# KiCad board Combined.kicad_pcb (continued)
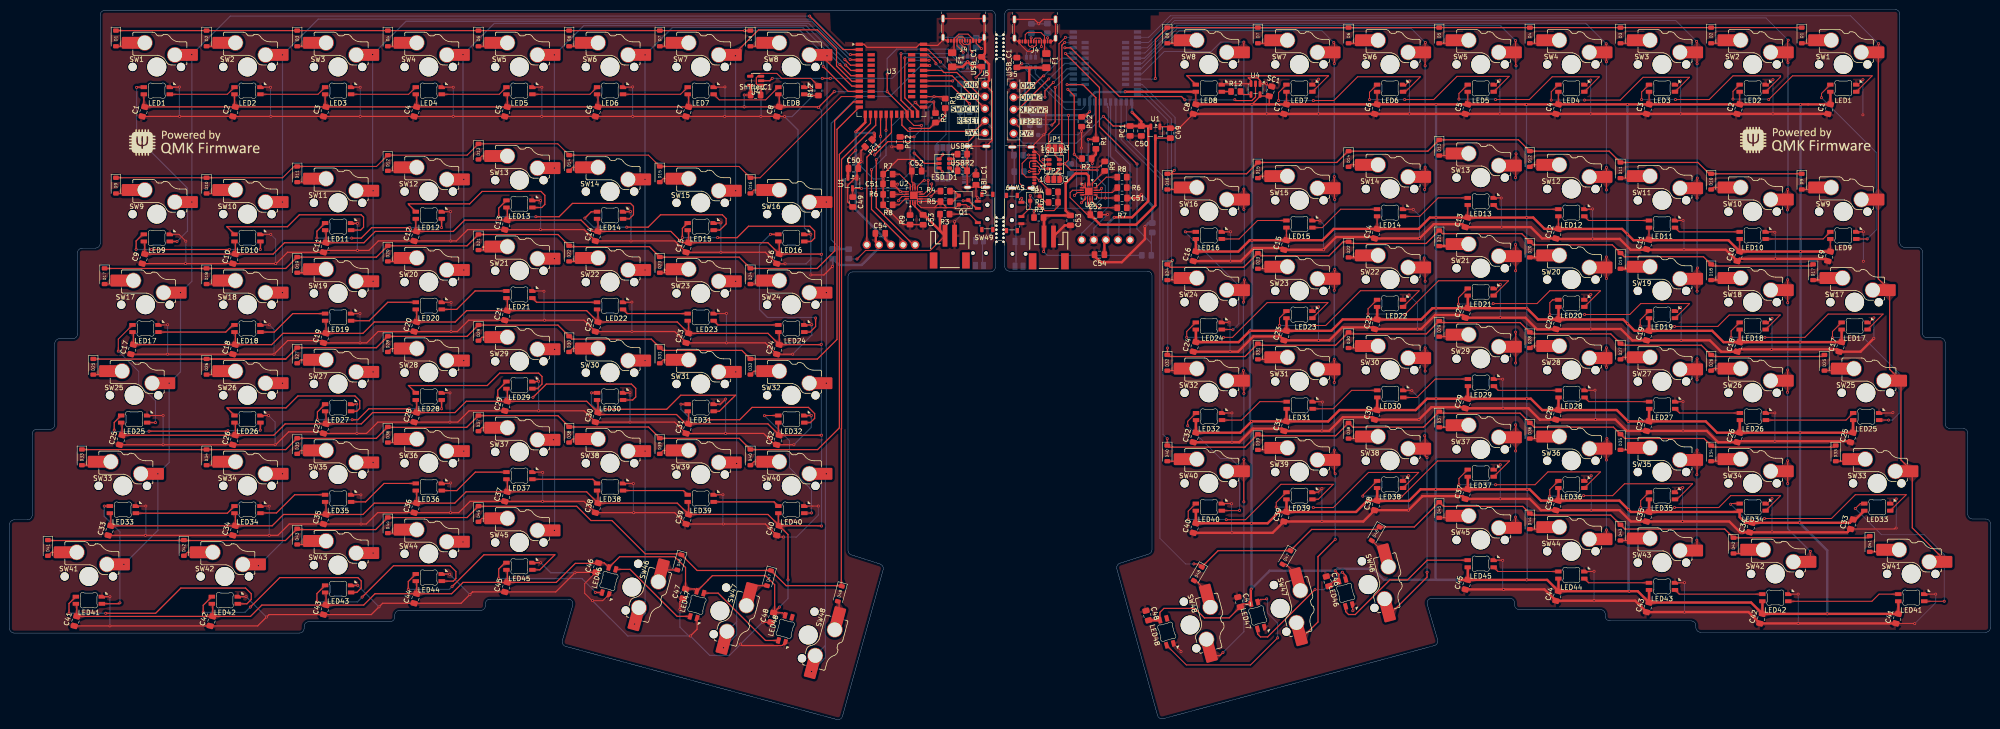
[diagram p0: board, top side]
## Placement (name value [footprint] x y rotation side) (continued)
LED40#2  MX_SK6812MINI-E  [LED_MX_6028R-ROT]  252.04 44.66 0 top
LED41  MX_SK6812MINI-E  [LED_MX_6028R-ROT]  399.67 25.61 0 top
LED41#2  MX_SK6812MINI-E  [LED_MX_6028R-ROT]  16.67 25.08 0 top
LED42  MX_SK6812MINI-E  [LED_MX_6028R-ROT]  45.24 25.08 0 top
LED42#2  MX_SK6812MINI-E  [LED_MX_6028R-ROT]  371.1 25.61 0 top
LED43  MX_SK6812MINI-E  [LED_MX_6028R-ROT]  69.06 27.47 0 top
LED43#2  MX_SK6812MINI-E  [LED_MX_6028R-ROT]  347.29 28 0 top
LED44  MX_SK6812MINI-E  [LED_MX_6028R-ROT]  88.11 29.85 0 top
LED44#2  MX_SK6812MINI-E  [LED_MX_6028R-ROT]  328.24 30.38 0 top
LED45  MX_SK6812MINI-E  [LED_MX_6028R-ROT]  107.16 32.23 0 top
LED45#2  MX_SK6812MINI-E  [LED_MX_6028R-ROT]  309.19 32.76 0 top
LED46  MX_SK6812MINI-E  [LED_MX_6028R-ROT#2]  280.81 26.62 285 top
LED46#2  MX_SK6812MINI-E  [LED_MX_6028R-ROT#2]  125.98 29.14 255 top
LED47  MX_SK6812MINI-E  [LED_MX_6028R-ROT]  262.31 21.87 285 top
LED47#2  MX_SK6812MINI-E  [LED_MX_6028R-ROT]  144.48 24.14 255 top
LED48  MX_SK6812MINI-E  [LED_MX_6028R-ROT#2]  243.19 18.44 285 top
LED48#2  MX_SK6812MINI-E  [LED_MX_6028R-ROT#2]  163.03 19.06 255 top
OLED1  nice!view  [nice_view]  185.26 116.34 180 bottom
OLED1#2  nice!view  [nice_view]  230.41 117.37 180 bottom
PC1  0.1u  [C_0805_2012Metric_Pad1.18x1.45mm_HandSolder]  180.56 121.19 225 top
PC1#2  0.1u  [C_0805_2012Metric_Pad1.18x1.45mm_HandSolder]  235.51 123.78 270 top
PC2  0.1u  [C_0805_2012Metric_Pad1.18x1.45mm_HandSolder]  187.16 121.49 270 top
PC2#2  0.1u  [C_0805_2012Metric_Pad1.18x1.45mm_HandSolder]  225.31 125.72 270 top
Q1  2N7002  [SOT-23]  215.51 109.07 180 top
Q1#2  2N7002  [SOT-23#2]  200.51 109.24 0 top
R1  10k  [R_0805_2012Metric_Pad1.20x1.40mm_HandSolder]  228.31 121.02 270 top
R1#2  10k  [R_0805_2012Metric_Pad1.20x1.40mm_HandSolder]  196.66 129.59 270 top
R2  10k  [R_0805_2012Metric_Pad1.20x1.40mm_HandSolder]  194.61 126.54 270 top
R2#2  10k  [R_0805_2012Metric_Pad1.20x1.40mm_HandSolder]  226.41 117.97 0 top
R3  100k  [R_0805_2012Metric_Pad1.20x1.40mm_HandSolder]  196.56 106.29 180 top
R3#2  100k  [R_0805_2012Metric_Pad1.20x1.40mm_HandSolder]  216.31 105.57 0 top
R4  100R  [R_0805_2012Metric_Pad1.20x1.40mm_HandSolder]  219.36 110.97 180 top
R4#2  100R  [R_0805_2012Metric_Pad1.20x1.40mm_HandSolder]  196.66 111.14 180 top
R5  10k  [R_0805_2012Metric_Pad1.20x1.40mm_HandSolder]  219.36 108.77 0 top
R5#2  10k  [R_0805_2012Metric_Pad1.20x1.40mm_HandSolder]  196.66 108.94 0 top
R6  47k  [R_0805_2012Metric_Pad1.20x1.40mm_HandSolder]  233.81 111.87 180 top
R6#2  47k  [R_0805_2012Metric_Pad1.20x1.40mm_HandSolder]  184.61 110.44 0 top
R7  1.5k  [R_0805_2012Metric_Pad1.20x1.40mm_HandSolder]  184.61 114.69 0 top
R7#2  1.5k  [R_0805_2012Metric_Pad1.20x1.40mm_HandSolder]  233.81 107.62 180 top
R8  3.9k  [R_0805_2012Metric_Pad1.20x1.40mm_HandSolder]  184.61 108.24 0 top
R8#2  3.9k  [R_0805_2012Metric_Pad1.20x1.40mm_HandSolder]  233.81 114.07 180 top
R9  10k  [R_0805_2012Metric_Pad1.20x1.40mm_HandSolder]  189.26 105.09 90 top
R9#2  10k  [R_0805_2012Metric_Pad1.20x1.40mm_HandSolder]  230.16 116.37 270 top
R10  806/820k  [R_0805_2012Metric_Pad1.20x1.40mm_HandSolder]  176.36 97.94 90 bottom
R10#2  806/820k  [R_0805_2012Metric_Pad1.20x1.40mm_HandSolder]  238.96 97.62 0 bottom
R11  2M  [R_0805_2012Metric_Pad1.20x1.40mm_HandSolder]  240.16 103.42 90 bottom
R11#2  2M  [R_0805_2012Metric_Pad1.20x1.40mm_HandSolder]  173.01 97.94 270 bottom
R12  470  [R_0805_2012Metric_Pad1.20x1.40mm_HandSolder]  170.01 132.24 90 top
R12#2  470  [R_0805_2012Metric_Pad1.20x1.40mm_HandSolder]  257.71 132.07 0 top
R13  5.1k  [R_0805_2012Metric_Pad1.20x1.40mm_HandSolder]  218.11 145.37 90 bottom
R13#2  5.1k  [R_0805_2012Metric_Pad1.20x1.40mm_HandSolder]  203.16 142.37 90 bottom
R14  5.1k  [R_0805_2012Metric_Pad1.20x1.40mm_HandSolder]  199.68 142.37 90 bottom
R14#2  5.1k  [R_0805_2012Metric_Pad1.20x1.40mm_HandSolder]  214.76 145.32 90 bottom
R15  1k  [R_0805_2012Metric_Pad1.20x1.40mm_HandSolder]  200.76 133.69 180 bottom
R15#2  1k  [R_0805_2012Metric_Pad1.20x1.40mm_HandSolder]  215.46 130.97 180 bottom
R17  1k  [R_0805_2012Metric_Pad1.20x1.40mm_HandSolder]  200.76 127.84 180 bottom
R17#2  1k  [R_0805_2012Metric_Pad1.20x1.40mm_HandSolder]  215.46 125.12 180 bottom
REF**  -  [MouseBite-Slot_2.0x4.5mm_outset_D0.5mm_P0.85mm_7h]  209.16 141.48 90 top  (not fitted)
REF**#2  -  [MouseBite-Slot_2.0x4.5mm_outset_D0.5mm_P0.85mm_7h]  209.15 103.02 90 top  (not fitted)
Reset_Btn1  SW_Push  [Panasonic_EVQPUL_EVQPUC]  203.86 98.09 90 bottom
Reset_Btn1#2  SW_Push  [Panasonic_EVQPUL_EVQPUC#2]  212.16 97.92 270 bottom
SC1  0.1uF  [C_0805_2012Metric_Pad1.18x1.45mm_HandSolder]  265.01 132.12 75 top
ShifterC1  0.1uF  [C_0805_2012Metric_Pad1.18x1.45mm_HandSolder]  156.81 131.34 0 top
SW1  SW_Push  [SW_MX_HS_KS-2P02B01-01_1u]  385.39 137.77 0 top
SW1#2  SW_Push  [SW_MX_HS_KS-2P02B01-01_1u]  30.96 137.24 0 top
SW2  SW_Push  [SW_MX_HS_KS-2P02B01-01_1u]  366.34 137.77 0 top
SW2#2  SW_Push  [SW_MX_HS_KS-2P02B01-01_1u]  50.01 137.24 0 top
SW3  SW_Push  [SW_MX_HS_KS-2P02B01-01_1u]  347.29 137.77 0 top
SW3#2  SW_Push  [SW_MX_HS_KS-2P02B01-01_1u]  69.06 137.24 0 top
SW4  SW_Push  [SW_MX_HS_KS-2P02B01-01_1u]  328.24 137.77 0 top
SW4#2  SW_Push  [SW_MX_HS_KS-2P02B01-01_1u]  88.11 137.24 0 top
SW5  SW_Push  [SW_MX_HS_KS-2P02B01-01_1u]  107.16 137.24 0 top
SW5#2  SW_Push  [SW_MX_HS_KS-2P02B01-01_1u]  309.19 137.77 0 top
SW6  SW_Push  [SW_MX_HS_KS-2P02B01-01_1u]  290.14 137.77 0 top
SW6#2  SW_Push  [SW_MX_HS_KS-2P02B01-01_1u]  126.21 137.24 0 top
SW7  SW_Push  [SW_MX_HS_KS-2P02B01-01_1u]  145.26 137.24 0 top
SW7#2  SW_Push  [SW_MX_HS_KS-2P02B01-01_1u]  271.09 137.77 0 top
SW8  SW_Push  [SW_MX_HS_KS-2P02B01-01_1u]  252.04 137.77 0 top
SW8#2  SW_Push  [SW_MX_HS_KS-2P02B01-01_1u]  164.31 137.24 0 top
SW9  SW_Push  [SW_MX_HS_KS-2P02B01-01_1u]  385.39 106.81 0 top
SW9#2  SW_Push  [SW_MX_HS_KS-2P02B01-01_1u]  30.96 106.28 0 top
SW10  SW_Push  [SW_MX_HS_KS-2P02B01-01_1u]  366.34 106.81 0 top
SW10#2  SW_Push  [SW_MX_HS_KS-2P02B01-01_1u]  50.01 106.28 0 top
SW11  SW_Push  [SW_MX_HS_KS-2P02B01-01_1u]  69.06 108.67 0 top
SW11#2  SW_Push  [SW_MX_HS_KS-2P02B01-01_1u]  347.29 109.2 0 top
SW12  SW_Push  [SW_MX_HS_KS-2P02B01-01_1u]  88.11 111.05 0 top
SW12#2  SW_Push  [SW_MX_HS_KS-2P02B01-01_1u]  328.24 111.58 0 top
SW13  SW_Push  [SW_MX_HS_KS-2P02B01-01_1u]  309.19 113.96 0 top
SW13#2  SW_Push  [SW_MX_HS_KS-2P02B01-01_1u]  107.16 113.43 0 top
SW14  SW_Push  [SW_MX_HS_KS-2P02B01-01_1u]  290.14 111.58 0 top
SW14#2  SW_Push  [SW_MX_HS_KS-2P02B01-01_1u]  126.21 111.05 0 top
SW15  SW_Push  [SW_MX_HS_KS-2P02B01-01_1u]  145.26 108.67 0 top
SW15#2  SW_Push  [SW_MX_HS_KS-2P02B01-01_1u]  271.09 109.2 0 top
SW16  SW_Push  [SW_MX_HS_KS-2P02B01-01_1u]  252.04 106.81 0 top
SW16#2  SW_Push  [SW_MX_HS_KS-2P02B01-01_1u]  164.31 106.28 0 top
SW17  SW_Push  [SW_MX_HS_KS-2P02B01-01_1.25u]  28.58 87.23 0 top
SW17#2  SW_Push  [SW_MX_HS_KS-2P02B01-01_1.25u]  387.77 87.76 0 top
SW18  SW_Push  [SW_MX_HS_KS-2P02B01-01_1u]  50.01 87.23 0 top
SW18#2  SW_Push  [SW_MX_HS_KS-2P02B01-01_1u]  366.34 87.76 0 top
SW19  SW_Push  [SW_MX_HS_KS-2P02B01-01_1u]  69.06 89.62 0 top
SW19#2  SW_Push  [SW_MX_HS_KS-2P02B01-01_1u]  347.29 90.15 0 top
SW20  SW_Push  [SW_MX_HS_KS-2P02B01-01_1u]  88.11 92 0 top
SW20#2  SW_Push  [SW_MX_HS_KS-2P02B01-01_1u]  328.24 92.53 0 top
SW21  SW_Push  [SW_MX_HS_KS-2P02B01-01_1u]  309.19 94.91 0 top
SW21#2  SW_Push  [SW_MX_HS_KS-2P02B01-01_1u]  107.16 94.38 0 top
SW22  SW_Push  [SW_MX_HS_KS-2P02B01-01_1u]  126.21 92 0 top
SW22#2  SW_Push  [SW_MX_HS_KS-2P02B01-01_1u]  290.14 92.53 0 top
SW23  SW_Push  [SW_MX_HS_KS-2P02B01-01_1u]  271.09 90.15 0 top
SW23#2  SW_Push  [SW_MX_HS_KS-2P02B01-01_1u]  145.26 89.62 0 top
SW24  SW_Push  [SW_MX_HS_KS-2P02B01-01_1u]  252.04 87.76 0 top
SW24#2  SW_Push  [SW_MX_HS_KS-2P02B01-01_1u]  164.31 87.23 0 top
SW25  SW_Push  [SW_MX_HS_KS-2P02B01-01_1.5u]  26.19 68.18 0 top
SW25#2  SW_Push  [SW_MX_HS_KS-2P02B01-01_1.5u]  390.15 68.71 0 top
SW26  SW_Push  [SW_MX_HS_KS-2P02B01-01_1u]  366.34 68.71 0 top
SW26#2  SW_Push  [SW_MX_HS_KS-2P02B01-01_1u]  50.01 68.18 0 top
SW27  SW_Push  [SW_MX_HS_KS-2P02B01-01_1u]  347.29 71.1 0 top
SW27#2  SW_Push  [SW_MX_HS_KS-2P02B01-01_1u]  69.06 70.57 0 top
SW28  SW_Push  [SW_MX_HS_KS-2P02B01-01_1u]  88.11 72.95 0 top
SW28#2  SW_Push  [SW_MX_HS_KS-2P02B01-01_1u]  328.24 73.48 0 top
SW29  SW_Push  [SW_MX_HS_KS-2P02B01-01_1u]  309.19 75.86 0 top
SW29#2  SW_Push  [SW_MX_HS_KS-2P02B01-01_1u]  107.16 75.33 0 top
SW30  SW_Push  [SW_MX_HS_KS-2P02B01-01_1u]  290.14 73.48 0 top
SW30#2  SW_Push  [SW_MX_HS_KS-2P02B01-01_1u]  126.21 72.95 0 top
SW31  SW_Push  [SW_MX_HS_KS-2P02B01-01_1u]  271.09 71.1 0 top
SW31#2  SW_Push  [SW_MX_HS_KS-2P02B01-01_1u]  145.26 70.57 0 top
SW32  SW_Push  [SW_MX_HS_KS-2P02B01-01_1u]  164.31 68.18 0 top
SW32#2  SW_Push  [SW_MX_HS_KS-2P02B01-01_1u]  252.04 68.71 0 top
SW33  SW_Push  [SW_MX_HS_KS-2P02B01-01_1.75u]  392.53 49.66 0 top
SW33#2  SW_Push  [SW_MX_HS_KS-2P02B01-01_1.75u]  23.81 49.13 0 top
SW34  SW_Push  [SW_MX_HS_KS-2P02B01-01_1u]  50.01 49.13 0 top
SW34#2  SW_Push  [SW_MX_HS_KS-2P02B01-01_1u]  366.34 49.66 0 top
SW35  SW_Push  [SW_MX_HS_KS-2P02B01-01_1u]  69.06 51.52 0 top
SW35#2  SW_Push  [SW_MX_HS_KS-2P02B01-01_1u]  347.29 52.05 0 top
SW36  SW_Push  [SW_MX_HS_KS-2P02B01-01_1u]  328.24 54.43 0 top
SW36#2  SW_Push  [SW_MX_HS_KS-2P02B01-01_1u]  88.11 53.9 0 top
SW37  SW_Push  [SW_MX_HS_KS-2P02B01-01_1u]  309.19 56.81 0 top
SW37#2  SW_Push  [SW_MX_HS_KS-2P02B01-01_1u]  107.16 56.28 0 top
SW38  SW_Push  [SW_MX_HS_KS-2P02B01-01_1u]  126.21 53.9 0 top
SW38#2  SW_Push  [SW_MX_HS_KS-2P02B01-01_1u]  290.14 54.43 0 top
SW39  SW_Push  [SW_MX_HS_KS-2P02B01-01_1u]  271.09 52.05 0 top
SW39#2  SW_Push  [SW_MX_HS_KS-2P02B01-01_1u]  145.26 51.52 0 top
SW40  SW_Push  [SW_MX_HS_KS-2P02B01-01_1u]  252.04 49.66 0 top
SW40#2  SW_Push  [SW_MX_HS_KS-2P02B01-01_1u]  164.31 49.13 0 top
SW41  SW_Push  [SW_MX_HS_KS-2P02B01-01_1.5u]  16.67 30.08 0 top
SW41#2  SW_Push  [SW_MX_HS_KS-2P02B01-01_1.5u]  399.67 30.61 0 top
SW42  SW_Push  [SW_MX_HS_KS-2P02B01-01_1.5u]  371.1 30.61 0 top
SW42#2  SW_Push  [SW_MX_HS_KS-2P02B01-01_1.5u]  45.24 30.08 0 top
SW43  SW_Push  [SW_MX_HS_KS-2P02B01-01_1u]  347.29 33 0 top
SW43#2  SW_Push  [SW_MX_HS_KS-2P02B01-01_1u]  69.06 32.47 0 top
SW44  SW_Push  [SW_MX_HS_KS-2P02B01-01_1u]  328.24 35.38 0 top
SW44#2  SW_Push  [SW_MX_HS_KS-2P02B01-01_1u]  88.11 34.85 0 top
SW45  SW_Push  [SW_MX_HS_KS-2P02B01-01_1u]  309.19 37.76 0 top
SW45#2  SW_Push  [SW_MX_HS_KS-2P02B01-01_1u]  107.16 37.23 0 top
SW46  SW_Push  [SW_MX_HS_KS-2P02B01-01_1.25u]  285.54 28.37 285 top
SW46#2  SW_Push  [SW_MX_HS_KS-2P02B01-01_1.25u]  130.81 27.84 255 top
SW47  SW_Push  [SW_MX_HS_KS-2P02B01-01_1.5u]  149.31 22.84 255 top
SW47#2  SW_Push  [SW_MX_HS_KS-2P02B01-01_1.5u]  267.04 23.37 285 top
SW48  SW_Push  [SW_MX_HS_KS-2P02B01-01_1.75u]  167.86 17.77 255 top
SW48#2  SW_Push  [SW_MX_HS_KS-2P02B01-01_1.75u]  248.11 19.87 285 top
SW49  SW_PWR  [SW_MSK12C02-HB]  205.51 106.74 270 top
SW49#2  SW_PWR  [SW_MSK12C02-HB#2]  210.66 106.52 90 top
U1  XC6206PxxxMR  [SOT-23-3]  240.81 123.53 270 top
U1#2  XC6206PxxxMR  [SOT-23-3]  177.16 112.84 270 top
U2  BQ24075RGT  [VQFN-16-1EP_3x3mm_P0.5mm_EP1.6x1.6mm]  190.06 110.24 90 top
U2#2  BQ24075RGT  [VQFN-16-1EP_3x3mm_P0.5mm_EP1.6x1.6mm]  226.81 111.07 270 top
U3  -  [nRF52840_holyiot_18010]  185.34 136.3 0 top
U3#2  nRF52840_holyiot_18010  [nRF52840_holyiot_18010#2]  230.31 138.87 180 bottom
U4  SN74LV1T125DBV  [SOT-23-5]  261.86 132.57 270 top
U4#2  SN74LV1T125DBV  [SOT-23-5]  156.81 134.34 180 top
USB_C1  0.1uF  [C_0805_2012Metric_Pad1.18x1.45mm_HandSolder]  204.31 138.34 90 top
USB_C1#2  0.1uF  [C_0805_2012Metric_Pad1.18x1.45mm_HandSolder]  211.71 138.17 90 top
USBI_C1  0.1uF  [C_0805_2012Metric_Pad1.18x1.45mm_HandSolder]  203.11 113.5 270 top
USBI_C1#2  0.1uF  [C_0805_2012Metric_Pad1.18x1.45mm_HandSolder]  222.96 115.82 270 bottom
USBR1  5.1k  [R_0805_2012Metric_Pad1.20x1.40mm_HandSolder]  200.26 118.9 0 top
USBR1#2  5.1k  [R_0805_2012Metric_Pad1.20x1.40mm_HandSolder]  212.06 118.67 180 bottom
USBR2  5.1k  [R_0805_2012Metric_Pad1.20x1.40mm_HandSolder]  200.26 115.4 0 top
USBR2#2  5.1k  [R_0805_2012Metric_Pad1.20x1.40mm_HandSolder]  212.16 115.24 180 bottom

## Library data of the parts
B_LED1 B_LED1#2 = -: Description: Blue SMD LED, 0603, Alternate KiCad Library
C1 C1#2 C2 C2#2 C3 C3#2 C4 C4#2 C5 C5#2 C6 C6#2 C7 C7#2 C8 C8#2 C9 C9#2 C10 C10#2 C11 C11#2 C12 C12#2 C13 C13#2 C14 C14#2 C15 C15#2 C16 C16#2 C17 C17#2 C18 C18#2 C19 C19#2 C20 C20#2 C21 C21#2 C22 C22#2 C23 C23#2 C24 C24#2 C25 C25#2 C26 C26#2 C27 C27#2 C28 C28#2 C29 C29#2 C30 C30#2 C31 C31#2 C32 C32#2 C33 C33#2 C34 C34#2 C35 C35#2 C36 C36#2 C37 C37#2 C38 C38#2 C39 C39#2 C40 C40#2 C41 C41#2 C42 C42#2 C43 C43#2 C44 C44#2 C45 C45#2 C46 C46#2 C47 C47#2 C48 C48#2 C51 C51#2 C52 C52#2 C53 C53#2 C54 C54#2 SC1 ShifterC1 USBI_C1 USBI_C1#2 = -: Description: Unpolarized capacitor
C49 C49#2 C50 C50#2 PC1 PC1#2 PC2 PC2#2 = -: Notes: X7R, 10%
D1 D1#2 D2 D2#2 D3 D3#2 D4 D4#2 D5 D5#2 D6 D6#2 D7 D7#2 D8 D8#2 D9 D9#2 D10 D10#2 D11 D11#2 D12 D12#2 D13 D13#2 D14 D14#2 D15 D15#2 D16 D16#2 D17 D17#2 D18 D18#2 D19 D19#2 D20 D20#2 D21 D21#2 D22 D22#2 D23 D23#2 D24 D24#2 D25 D25#2 D26 D26#2 D27 D27#2 D28 D28#2 D29 D29#2 D30 D30#2 D31 D31#2 D32 D32#2 D33 D33#2 D34 D34#2 D35 D35#2 D36 D36#2 D37 D37#2 D38 D38#2 D39 D39#2 D40 D40#2 D41 D41#2 D42 D42#2 D43 D43#2 D44 D44#2 D45 D45#2 D46 D46#2 D47 D47#2 D48 D48#2 = -: Description: Diode; Sim.Pins: 1=K 2=A
ESD_D1 ESD_D1#2 ESD_D2 ESD_D2#2 = -: Datasheet: https://www.tme.eu/Document/db59d28d28a96c34f26d05f234ff409c/USBLC6-2.pdf; Description: SOT-23-6 TVS Diode Array, 2 protected lines, positive connection, 5.25V, Alternate KiCAD Library
F1 F1#2 = -: LCSC: C135341
G_LED1 G_LED1#2 = -: Description: Green SMD LED, 0603, Alternate KiCad Library
J1 J1#2 J4 J4#2 = -: Datasheet: https://www.usb.org/sites/default/files/documents/usb_type-c.zip; Description: USB 2.0-only 16P Type-C Receptacle connector
J3 J3#2 = -: Description: 2 Pin 2mm JST Battery Connector; PROD_ID: CONN-11443
J5 J5#2 = -: Description: Male connector, single row
JP1 JP1#2 JP2 JP2#2 = -: Description: Solder Jumper, 3-pole, open
LED1 LED1#2 LED2 LED2#2 LED3 LED3#2 LED4 LED4#2 LED5 LED5#2 LED6 LED6#2 LED7 LED7#2 LED8 LED8#2 LED9 LED9#2 LED10 LED10#2 LED11 LED11#2 LED12 LED12#2 LED13 LED13#2 LED14 LED14#2 LED15 LED15#2 LED16 LED16#2 LED17 LED17#2 LED18 LED18#2 LED19 LED19#2 LED20 LED20#2 LED21 LED21#2 LED22 LED22#2 LED23 LED23#2 LED24 LED24#2 LED25 LED25#2 LED26 LED26#2 LED27 LED27#2 LED28 LED28#2 LED29 LED29#2 LED30 LED30#2 LED31 LED31#2 LED32 LED32#2 LED33 LED33#2 LED34 LED34#2 LED35 LED35#2 LED36 LED36#2 LED37 LED37#2 LED38 LED38#2 LED39 LED39#2 LED40 LED40#2 LED41 LED41#2 LED42 LED42#2 LED43 LED43#2 LED44 LED44#2 LED45 LED45#2 LED46 LED46#2 LED47 LED47#2 LED48 LED48#2 = -: Description: Reverse mount adressable LED (WS2812 protocol)
OLED1 OLED1#2 = -: Datasheet: https://nicekeyboards.com/docs/nice-view/pinout-schematic; Description: Sharp LS011B7DH03 Memory in Pixel 160x68
Q1 Q1#2 = -: Datasheet: https://www.tme.eu/Document/7df5cae36abdfcedddb681f5be886f05/2N7000.pdf; Description: SOT-23 N-MOSFET enchancement mode transistor, 60V, 115mA, 200mW, Alternate KiCAD Library
R1 R1#2 R2 R2#2 R3 R3#2 R4 R4#2 R5 R5#2 R6 R6#2 R7 R7#2 R8 R8#2 R9 R9#2 R10 R10#2 R11 R11#2 R12 R12#2 R13 R13#2 R14 R14#2 R15 R15#2 R17 R17#2 USBR1 USBR1#2 USBR2 USBR2#2 = -: Description: Resistor
Reset_Btn1 Reset_Btn1#2 = -: Aliexpress: https://www.aliexpress.com/item/1005005453787620.html?spm=a2g0o.productlist.main.1.11d71ae5j97qJo&algo_pvid=568eff6e-180e-4b37-958c-7c0a3b0f84d9&algo_exp_id=568eff6e-180e-4b37-958c-7c0a3b0f84d9-0&pdp_npi=4%40dis%21BRL%2110.94%219.89%21%21%2113.03%2111.78%21%402103273e17319427737965163e3c62%2112000038111003831%21sea%21BR%214340077984%21X&curPageLogUid=5a6rqzQqwGi2&utparam-url=scene%3Asearch%7Cquery_from%3A; LCSC: C79175
SW1 SW1#2 SW2 SW2#2 SW3 SW3#2 SW4 SW4#2 SW5 SW5#2 SW6 SW6#2 SW7 SW7#2 SW8 SW8#2 SW9 SW9#2 SW10 SW10#2 SW11 SW11#2 SW12 SW12#2 SW13 SW13#2 SW14 SW14#2 SW15 SW15#2 SW16 SW16#2 SW17 SW17#2 SW18 SW18#2 SW19 SW19#2 SW20 SW20#2 SW21 SW21#2 SW22 SW22#2 SW23 SW23#2 SW24 SW24#2 SW25 SW25#2 SW26 SW26#2 SW27 SW27#2 SW28 SW28#2 SW29 SW29#2 SW30 SW30#2 SW31 SW31#2 SW32 SW32#2 SW33 SW33#2 SW34 SW34#2 SW35 SW35#2 SW36 SW36#2 SW37 SW37#2 SW38 SW38#2 SW39 SW39#2 SW40 SW40#2 SW41 SW41#2 SW42 SW42#2 SW43 SW43#2 SW44 SW44#2 SW45 SW45#2 SW47 SW47#2 = -: Description: Push button switch, normally open, two pins, 45° tilted
SW49 SW49#2 = -: Description: Switch, single pole double throw
U1 U1#2 = -: Datasheet: https://www.torexsemi.com/file/xc6206/XC6206.pdf; Description: Positive 60-250mA Low Dropout Regulator, Fixed Output, SOT-23
U2 U2#2 = -: Datasheet: http://www.ti.com/lit/ds/symlink/bq24075.pdf; Description: USB-Friendly Li-Ion Battery Charger and Power-Path Management, VQFN-16
U3 U3#2 = -: Datasheet: http://www.holyiot.com/tp/2019042516322180424.pdf; Description: nRF52840 BT LE module
U4 U4#2 = -: Datasheet: https://www.ti.com/lit/ds/symlink/sn74lv1t125.pdf; Description: Single Power Supply, Single Buffer Gate with 3-State Output, CMOS Logic Level Shifter Level Shifter, SOT-23-5
USB_C1 USB_C1#2 = -: LCSC: C307331

## Footprints (pads in the part's own frame, mm; a bottom-side part is the same pattern mirrored in y, then rotated)
C_0805_2012Metric_Pad1.18x1.45mm_HandSolder
  rrect 1.175x1.45 smd: 1(-1.038,0) 2(1.038,0)
D_SOD-123
  rrect 0.9x1.2 smd: 1(-1.65,0) 2(1.65,0)
Fuse_1206_3216Metric_Pad1.42x1.75mm_HandSolder
  rrect 1.425x1.75 smd: 1(-1.488,0) 2(1.488,0)
JST_1x02_P2.0mm_Horizontal_SMD
  rect 1x4.6 smd: 1(-1,-3.7) 2(1,-3.7)
  rect 1.6x3.4 smd: NC1(-3.4,1.5) NC2(3.4,1.5)
LED_0603_1608Metric
  rrect 0.875x0.95 smd: 1(-0.787,0) 2(0.787,0)
LED_MX_6028R-ROT
  rrect 1.35x0.82 smd: 1(-2.725,-0.75) 2(-2.725,0.75) 3(2.725,-0.75) 4(2.725,0.75)
LED_MX_6028R-ROT#2
  rrect 1.35x0.82 smd: 1(-2.725,-0.75) 2(-2.725,0.75) 3(2.725,-0.75) 4(2.725,0.75)
MouseBite-Slot_2.0x4.5mm_outset_D0.5mm_P0.85mm_7h
  round 0.5 hole 0.5 unplated: (-2.55,1.75) (-2.55,0.25) (-1.7,0.25) (-1.7,1.75) (-0.85,0.25) (-0.85,1.75) (0,1.75) (0,0.25) (0.85,1.75) (0.85,0.25) (1.7,1.75) (1.7,0.25) (2.55,1.75) (2.55,0.25)
nice_view
  round 1.753 hole 1.092: 1(-5.08,-16.51) 2(-2.54,-16.51) 3(0,-16.51) 4(2.54,-16.51) 5(5.08,-16.51)
nRF52840_holyiot_18010
  rect 1.524x0.7 smd: 1(-6.75,5.7) 2(-6.75,4.6) 3(-6.75,3.5) 4(-6.75,2.4) 5(-6.75,1.3) 6(-6.75,0.2) 7(-6.75,-0.9) 8(-6.75,-2) 9(-6.75,-3.1) 10(-6.75,-4.2) 11(-6.75,-5.3) 12(-6.75,-6.4) 13(-6.75,-7.5) 25(6.75,-7.5) 26(6.75,-6.4) 27(6.75,-5.3) 28(6.75,-4.2) 29(6.75,-3.1) 30(6.75,-2) 31(6.75,-0.9) 32(6.75,0.2) 33(6.75,1.3) 34(6.75,2.4) 35(6.75,3.5) 36(6.75,4.6) 37(6.75,5.7) 38(-4.25,3.5) 39(-4.25,2.4) 40(-4.25,1.3) 41(-4.25,0.2) 42(-4.25,-0.9) 43(-4.25,-2) 44(-4.25,-3.1) 45(-4.25,-4.2) 46(-4.25,-5.3) 47(4.25,3.5) 48(4.25,2.4) 49(4.25,1.3) 50(4.25,0.2) 51(4.25,-0.9) 52(4.25,-2) 53(4.25,-3.1) 54(4.25,-4.2) 55(4.25,-5.3)
  rect 0.7x1.524 smd: 14(-5.5,-9) 15(-4.4,-9) 16(-3.3,-9) 17(-2.2,-9) 18(-1.1,-9) 19(0,-9) 20(1.1,-9) 21(2.2,-9) 22(3.3,-9) 23(4.4,-9) 24(5.5,-9)
nRF52840_holyiot_18010#2
  rect 1.524x0.7 smd: 1(-6.75,5.7) 2(-6.75,4.6) 3(-6.75,3.5) 4(-6.75,2.4) 5(-6.75,1.3) 6(-6.75,0.2) 7(-6.75,-0.9) 8(-6.75,-2) 9(-6.75,-3.1) 10(-6.75,-4.2) 11(-6.75,-5.3) 12(-6.75,-6.4) 13(-6.75,-7.5) 25(6.75,-7.5) 26(6.75,-6.4) 27(6.75,-5.3) 28(6.75,-4.2) 29(6.75,-3.1) 30(6.75,-2) 31(6.75,-0.9) 32(6.75,0.2) 33(6.75,1.3) 34(6.75,2.4) 35(6.75,3.5) 36(6.75,4.6) 37(6.75,5.7) 38(-4.25,3.5) 39(-4.25,2.4) 40(-4.25,1.3) 41(-4.25,0.2) 42(-4.25,-0.9) 43(-4.25,-2) 44(-4.25,-3.1) 45(-4.25,-4.2) 46(-4.25,-5.3) 47(4.25,3.5) 48(4.25,2.4) 49(4.25,1.3) 50(4.25,0.2) 51(4.25,-0.9) 52(4.25,-2) 53(4.25,-3.1) 54(4.25,-4.2) 55(4.25,-5.3)
  rect 0.7x1.524 smd: 14(-5.5,-9) 15(-4.4,-9) 16(-3.3,-9) 17(-2.2,-9) 18(-1.1,-9) 19(0,-9) 20(1.1,-9) 21(2.2,-9) 22(3.3,-9) 23(4.4,-9) 24(5.5,-9)
Panasonic_EVQPUL_EVQPUC
  round 0.75 hole 0.75 unplated: (0,-1.375) (0,1.375)
  rect 1.55x1 smd: 1(-2.625,0.85) 1(2.625,0.85) 2(-2.625,-0.85) 2(2.625,-0.85)
Panasonic_EVQPUL_EVQPUC#2
  round 0.75 hole 0.75 unplated: (0,-1.375) (0,1.375)
  rect 1.55x1 smd: 1(-2.625,0.85) 1(2.625,0.85) 2(-2.625,-0.85) 2(2.625,-0.85)
PinHeader_01x05_P2.54mm_Vertical_THT_D1mm
  round 1.7 hole 1: 1(0,0)
  oval 1.7x1.7 hole 1: 2(0,-2.54) 3(0,-5.08) 4(0,-7.62) 5(0,-10.16)
R_0805_2012Metric_Pad1.20x1.40mm_HandSolder
  rrect 1.2x1.4 smd: 1(-1,0) 2(1,0)
SolderJumper-3_P1.3mm_Open_RoundedPad1.0x1.5mm_NumberLabels
  custom 1.05x1.5 smd: 1(-1.3,0) 3(1.3,0)
  rect 1x1.5 smd: 2(0,0)
SOT-23
  rrect 0.9x0.8 smd: 1(-1,0.95) 2(-1,-0.95) 3(1,0)
SOT-23#2
  rrect 0.9x0.8 smd: 1(-1,0.95) 2(-1,-0.95) 3(1,0)
SOT-23-3
  rrect 1.325x0.6 smd: 1(-1.137,0.95) 2(-1.137,-0.95) 3(1.137,0)
SOT-23-5
  rrect 1.325x0.6 smd: 1(-1.137,0.95) 2(-1.137,0) 3(-1.137,-0.95) 4(1.137,-0.95) 5(1.137,0.95)
SOT-23-6
  rrect 1.06x0.65 smd: 1(-1.1,0.95) 2(-1.1,0) 3(-1.1,-0.95) 4(1.1,-0.95) 5(1.1,0) 6(1.1,0.95)
SOT-23-6#2
  rrect 1.06x0.65 smd: 1(-1.1,0.95) 2(-1.1,0) 3(-1.1,-0.95) 4(1.1,-0.95) 5(1.1,0) 6(1.1,0.95)
SW_MSK12C02-HB
  round 0.85 hole 0.85 unplated: (-1.5,0) (1.5,0)
  rrect 0.6x1.25 smd: 1(2.25,-2) 2(-0.75,-2) 3(-2.25,-2)
  rrect 1.1x0.7 smd: MP(-3.7,-1.15) MP(-3.7,1.15) MP(3.7,-1.15) MP(3.7,1.15)
SW_MSK12C02-HB#2
  round 0.85 hole 0.85 unplated: (-1.5,0) (1.5,0)
  rrect 0.6x1.25 smd: 1(2.25,-2) 2(-0.75,-2) 3(-2.25,-2)
  rrect 1.1x0.7 smd: MP(-3.7,-1.15) MP(-3.7,1.15) MP(3.7,-1.15) MP(3.7,1.15)
SW_MX_HS_KS-2P02B01-01_1.5u
  round 1.75 hole 1.75 unplated: (-5.08,0) (5.08,0)
  round 3.988 hole 3.988 unplated: (0,0)
  round 3.3 hole 3: 1(3.81,2.54) 2(-2.54,5.08)
  rect 1.65x2.5 smd: 1(5.635,2.54) 2(-4.34,5.08)
  rrect 2.55x2.5 smd: 1(7.36,2.54) 2(-6.09,5.08)
SW_MX_HS_KS-2P02B01-01_1.25u
  round 1.75 hole 1.75 unplated: (-5.08,0) (5.08,0)
  round 3.988 hole 3.988 unplated: (0,0)
  round 3.3 hole 3: 1(3.81,2.54) 2(-2.54,5.08)
  rect 1.65x2.5 smd: 1(5.635,2.54) 2(-4.34,5.08)
  rrect 2.55x2.5 smd: 1(7.36,2.54) 2(-6.09,5.08)
SW_MX_HS_KS-2P02B01-01_1.75u
  round 1.75 hole 1.75 unplated: (-5.08,0) (5.08,0)
  round 3.988 hole 3.988 unplated: (0,0)
  round 3.3 hole 3: 1(3.81,2.54) 2(-2.54,5.08)
  rect 1.65x2.5 smd: 1(5.635,2.54) 2(-4.34,5.08)
  rrect 2.55x2.5 smd: 1(7.36,2.54) 2(-6.09,5.08)
SW_MX_HS_KS-2P02B01-01_1u
  round 1.75 hole 1.75 unplated: (-5.08,0) (5.08,0)
  round 3.988 hole 3.988 unplated: (0,0)
  round 3.3 hole 3: 1(3.81,2.54) 2(-2.54,5.08)
  rect 1.65x2.5 smd: 1(5.635,2.54) 2(-4.34,5.08)
  rrect 2.55x2.5 smd: 1(7.36,2.54) 2(-6.09,5.08)
USB_C_Receptacle_HRO_TYPE-C-31-M-23
  rrect 0.52x0.8 smd: A1(-3.28,2.425) A4(-2.01,2.425) A9(2.01,2.425) A12(3.28,2.425) B1(3.28,2.425) B4(2.01,2.425) B9(-2.01,2.425) B12(-3.28,2.425)
  rrect 0.35x0.8 smd: A5(-2.645,2.425) A6(-1.375,2.425) A7(1.375,2.425) A8(2.645,2.425) B5(0.825,2.425) B6(0.275,2.425) B7(-0.275,2.425) B8(-0.825,2.425)
  oval 0.8x1.8 hole 0.5x1.5: S1(-4.325,-2.215) S1(4.325,-2.215)
  oval 0.8x1.6 hole 0.5x1.3: S1(-4.325,1.725) S1(4.325,1.725)
VQFN-16-1EP_3x3mm_P0.5mm_EP1.6x1.6mm
  rrect 0.64x0.64 smd: (-0.4,0.4) (-0.4,-0.4) (0.4,0.4) (0.4,-0.4)
  rrect 0.875x0.25 smd: 1(-1.438,0.75) 2(-1.438,0.25) 3(-1.438,-0.25) 4(-1.438,-0.75) 9(1.438,-0.75) 10(1.438,-0.25) 11(1.438,0.25) 12(1.438,0.75)
  rrect 0.25x0.875 smd: 5(-0.75,-1.438) 6(-0.25,-1.438) 7(0.25,-1.438) 8(0.75,-1.438) 13(0.75,1.438) 14(0.25,1.438) 15(-0.25,1.438) 16(-0.75,1.438)
  rect 1.6x1.6 smd: 17(0,0)

## Nets
+3.3V: C50.1 C50#2.1 C54.1 C54#2.1 J5.5 J5#2.5 OLED1.3 OLED1#2.3 PC1.1 PC1#2.1 U1.2 U1#2.2 U3.14 U3#2.14
+5V: C1.2 C1#2.2 C2.2 C2#2.2 C3.2 C3#2.2 C4.2 C4#2.2 C5.2 C5#2.2 C6.2 C6#2.2 C7.2 C7#2.2 C8.2 C8#2.2 C9.2 C9#2.2 C10.2 C10#2.2 C11.2 C11#2.2 C12.2 C12#2.2 C13.2 C13#2.2 C14.2 C14#2.2 C15.2 C15#2.2 C16.2 C16#2.2 C17.2 C17#2.2 C18.2 C18#2.2 C19.2 C19#2.2 C20.2 C20#2.2 C21.2 C21#2.2 C22.2 C22#2.2 C23.2 C23#2.2 C24.2 C24#2.2 C25.2 C25#2.2 C26.2 C26#2.2 C27.2 C27#2.2 C28.2 C28#2.2 C29.2 C29#2.2 C30.2 C30#2.2 C31.2 C31#2.2 C32.2 C32#2.2 C33.2 C33#2.2 C34.2 C34#2.2 C35.2 C35#2.2 C36.2 C36#2.2 C37.2 C37#2.2 C38.2 C38#2.2 C39.2 C39#2.2 C40.2 C40#2.2 C41.2 C41#2.2 C42.2 C42#2.2 C43.2 C43#2.2 C44.2 C44#2.2 C45.2 C45#2.2 C46.2 C46#2.2 C47.2 C47#2.2 C48.2 C48#2.2 C51.1 C51#2.1 ESD_D1.5 ESD_D1#2.5 ESD_D2.5 ESD_D2#2.5 F1.2 F1#2.2 J1.A4 J1.A9 J1.B4 J1.B9 J1#2.A4 J1#2.A9 J1#2.B4 J1#2.B9 LED1.1 LED1#2.1 LED2.1 LED2#2.1 LED3.1 LED3#2.1 LED4.1 LED4#2.1 LED5.1 LED5#2.1 LED6.1 LED6#2.1 LED7.1 LED7#2.1 LED8.1 LED8#2.1 LED9.1 LED9#2.1 LED10.1 LED10#2.1 LED11.1 LED11#2.1 LED12.1 LED12#2.1 LED13.1 LED13#2.1 LED14.1 LED14#2.1 LED15.1 LED15#2.1 LED16.1 LED16#2.1 LED17.1 LED17#2.1 LED18.1 LED18#2.1 LED19.1 LED19#2.1 LED20.1 LED20#2.1 LED21.1 LED21#2.1 LED22.1 LED22#2.1 LED23.1 LED23#2.1 LED24.1 LED24#2.1 LED25.1 LED25#2.1 LED26.1 LED26#2.1 LED27.1 LED27#2.1 LED28.1 LED28#2.1 LED29.1 LED29#2.1 LED30.1 LED30#2.1 LED31.1 LED31#2.1 LED32.1 LED32#2.1 LED33.1 LED33#2.1 LED34.1 LED34#2.1 LED35.1 LED35#2.1 LED36.1 LED36#2.1 LED37.1 LED37#2.1 LED38.1 LED38#2.1 LED39.1 LED39#2.1 LED40.1 LED40#2.1 LED41.1 LED41#2.1 LED42.1 LED42#2.1 LED43.1 LED43#2.1 LED44.1 LED44#2.1 LED45.1 LED45#2.1 LED46.1 LED46#2.1 LED47.1 LED47#2.1 LED48.1 LED48#2.1 PC2.1 PC2#2.1 R4.2 R4#2.2 SC1.1 ShifterC1.1 U2.13 U2#2.13 U3.22 U3#2.22 U4.5 U4#2.5 USB_C1.1 USB_C1#2.1 USBI_C1.1 USBI_C1#2.1
GND: B_LED1.1 B_LED1#2.1 C1.1 C1#2.1 C2.1 C2#2.1 C3.1 C3#2.1 C4.1 C4#2.1 C5.1 C5#2.1 C6.1 C6#2.1 C7.1 C7#2.1 C8.1 C8#2.1 C9.1 C9#2.1 C10.1 C10#2.1 C11.1 C11#2.1 C12.1 C12#2.1 C13.1 C13#2.1 C14.1 C14#2.1 C15.1 C15#2.1 C16.1 C16#2.1 C17.1 C17#2.1 C18.1 C18#2.1 C19.1 C19#2.1 C20.1 C20#2.1 C21.1 C21#2.1 C22.1 C22#2.1 C23.1 C23#2.1 C24.1 C24#2.1 C25.1 C25#2.1 C26.1 C26#2.1 C27.1 C27#2.1 C28.1 C28#2.1 C29.1 C29#2.1 C30.1 C30#2.1 C31.1 C31#2.1 C32.1 C32#2.1 C33.1 C33#2.1 C34.1 C34#2.1 C35.1 C35#2.1 C36.1 C36#2.1 C37.1 C37#2.1 C38.1 C38#2.1 C39.1 C39#2.1 C40.1 C40#2.1 C41.1 C41#2.1 C42.1 C42#2.1 C43.1 C43#2.1 C44.1 C44#2.1 C45.1 C45#2.1 C46.1 C46#2.1 C47.1 C47#2.1 C48.1 C48#2.1 C49.2 C49#2.2 C50.2 C50#2.2 C51.2 C51#2.2 C52.2 C52#2.2 C53.2 C53#2.2 C54.2 C54#2.2 ESD_D1.2 ESD_D1#2.2 ESD_D2.2 ESD_D2#2.2 G_LED1.1 G_LED1#2.1 J1.A1 J1.A12 J1.B1 J1.B12 J1.S1 J1#2.A1 J1#2.A12 J1#2.B1 J1#2.B12 J1#2.S1 J3.1 J3#2.1 J4.A1 J4.A12 J4.B1 J4.B12 J4.S1 J4#2.A1 J4#2.A12 J4#2.B1 J4#2.B12 J4#2.S1 J5.1 J5#2.1 LED1.4 LED1#2.4 LED2.4 LED2#2.4 LED3.4 LED3#2.4 LED4.4 LED4#2.4 LED5.4 LED5#2.4 LED6.4 LED6#2.4 LED7.4 LED7#2.4 LED8.4 LED8#2.4 LED9.4 LED9#2.4 LED10.4 LED10#2.4 LED11.4 LED11#2.4 LED12.4 LED12#2.4 LED13.4 LED13#2.4 LED14.4 LED14#2.4 LED15.4 LED15#2.4 LED16.4 LED16#2.4 LED17.4 LED17#2.4 LED18.4 LED18#2.4 LED19.4 LED19#2.4 LED20.4 LED20#2.4 LED21.4 LED21#2.4 LED22.4 LED22#2.4 LED23.4 LED23#2.4 LED24.4 LED24#2.4 LED25.4 LED25#2.4 LED26.4 LED26#2.4 LED27.4 LED27#2.4 LED28.4 LED28#2.4 LED29.4 LED29#2.4 LED30.4 LED30#2.4 LED31.4 LED31#2.4 LED32.4 LED32#2.4 LED33.4 LED33#2.4 LED34.4 LED34#2.4 LED35.4 LED35#2.4 LED36.4 LED36#2.4 LED37.4 LED37#2.4 LED38.4 LED38#2.4 LED39.4 LED39#2.4 LED40.4 LED40#2.4 LED41.4 LED41#2.4 LED42.4 LED42#2.4 LED43.4 LED43#2.4 LED44.4 LED44#2.4 LED45.4 LED45#2.4 LED46.4 LED46#2.4 LED47.4 LED47#2.4 LED48.4 LED48#2.4 OLED1.4 OLED1#2.4 PC1.2 PC1#2.2 PC2.2 PC2#2.2 Q1.2 Q1#2.2 R5.1 R5#2.1 R6.1 R6#2.1 R7.1 R7#2.1 R8.1 R8#2.1 R9.1 R9#2.1 R11.2 R11#2.2 R13.2 R13#2.2 R14.2 R14#2.2 Reset_Btn1.2 Reset_Btn1#2.2 SC1.2 ShifterC1.2 SW49.3 SW49#2.3 U1.1 U1#2.1 U2.4 U2.5 U2.8 U2.17 U2#2.4 U2#2.5 U2#2.8 U2#2.17 U3.1 U3.25 U3.37 U3#2.1 U3#2.25 U3#2.37 U4.1 U4.3 U4#2.1 U4#2.3 USB_C1.2 USB_C1#2.2 USBI_C1.2 USBI_C1#2.2 USBR1.2 USBR1#2.2 USBR2.2 USBR2#2.2
+BATT: C53.1 C53#2.1 J3.2 J3#2.2 R3.2 R3#2.2 R10.1 R10#2.1 U2.2 U2.3 U2#2.2 U2#2.3
+VSW: C49.1 C49#2.1 C52.1 C52#2.1 R1.2 R1#2.2 R2.2 R2#2.2 U1.3 U1#2.3 U2.6 U2.10 U2.11 U2#2.6 U2#2.10 U2#2.11
